# Altium PCB SEEED ORDER 100mm x 150mm.PcbDoc (part 1 of 3)
Units mil, origin at the board's own origin, x right, y up, seen from the top; angles counter-clockwise.
Board outline 5905.51 x 3937.01 mil, 2 copper layers (Top Layer, Bottom Layer); 155 components, 122 nets, 624 pads, 161 vias.
Unrouted connection lines stored in the file: 6.
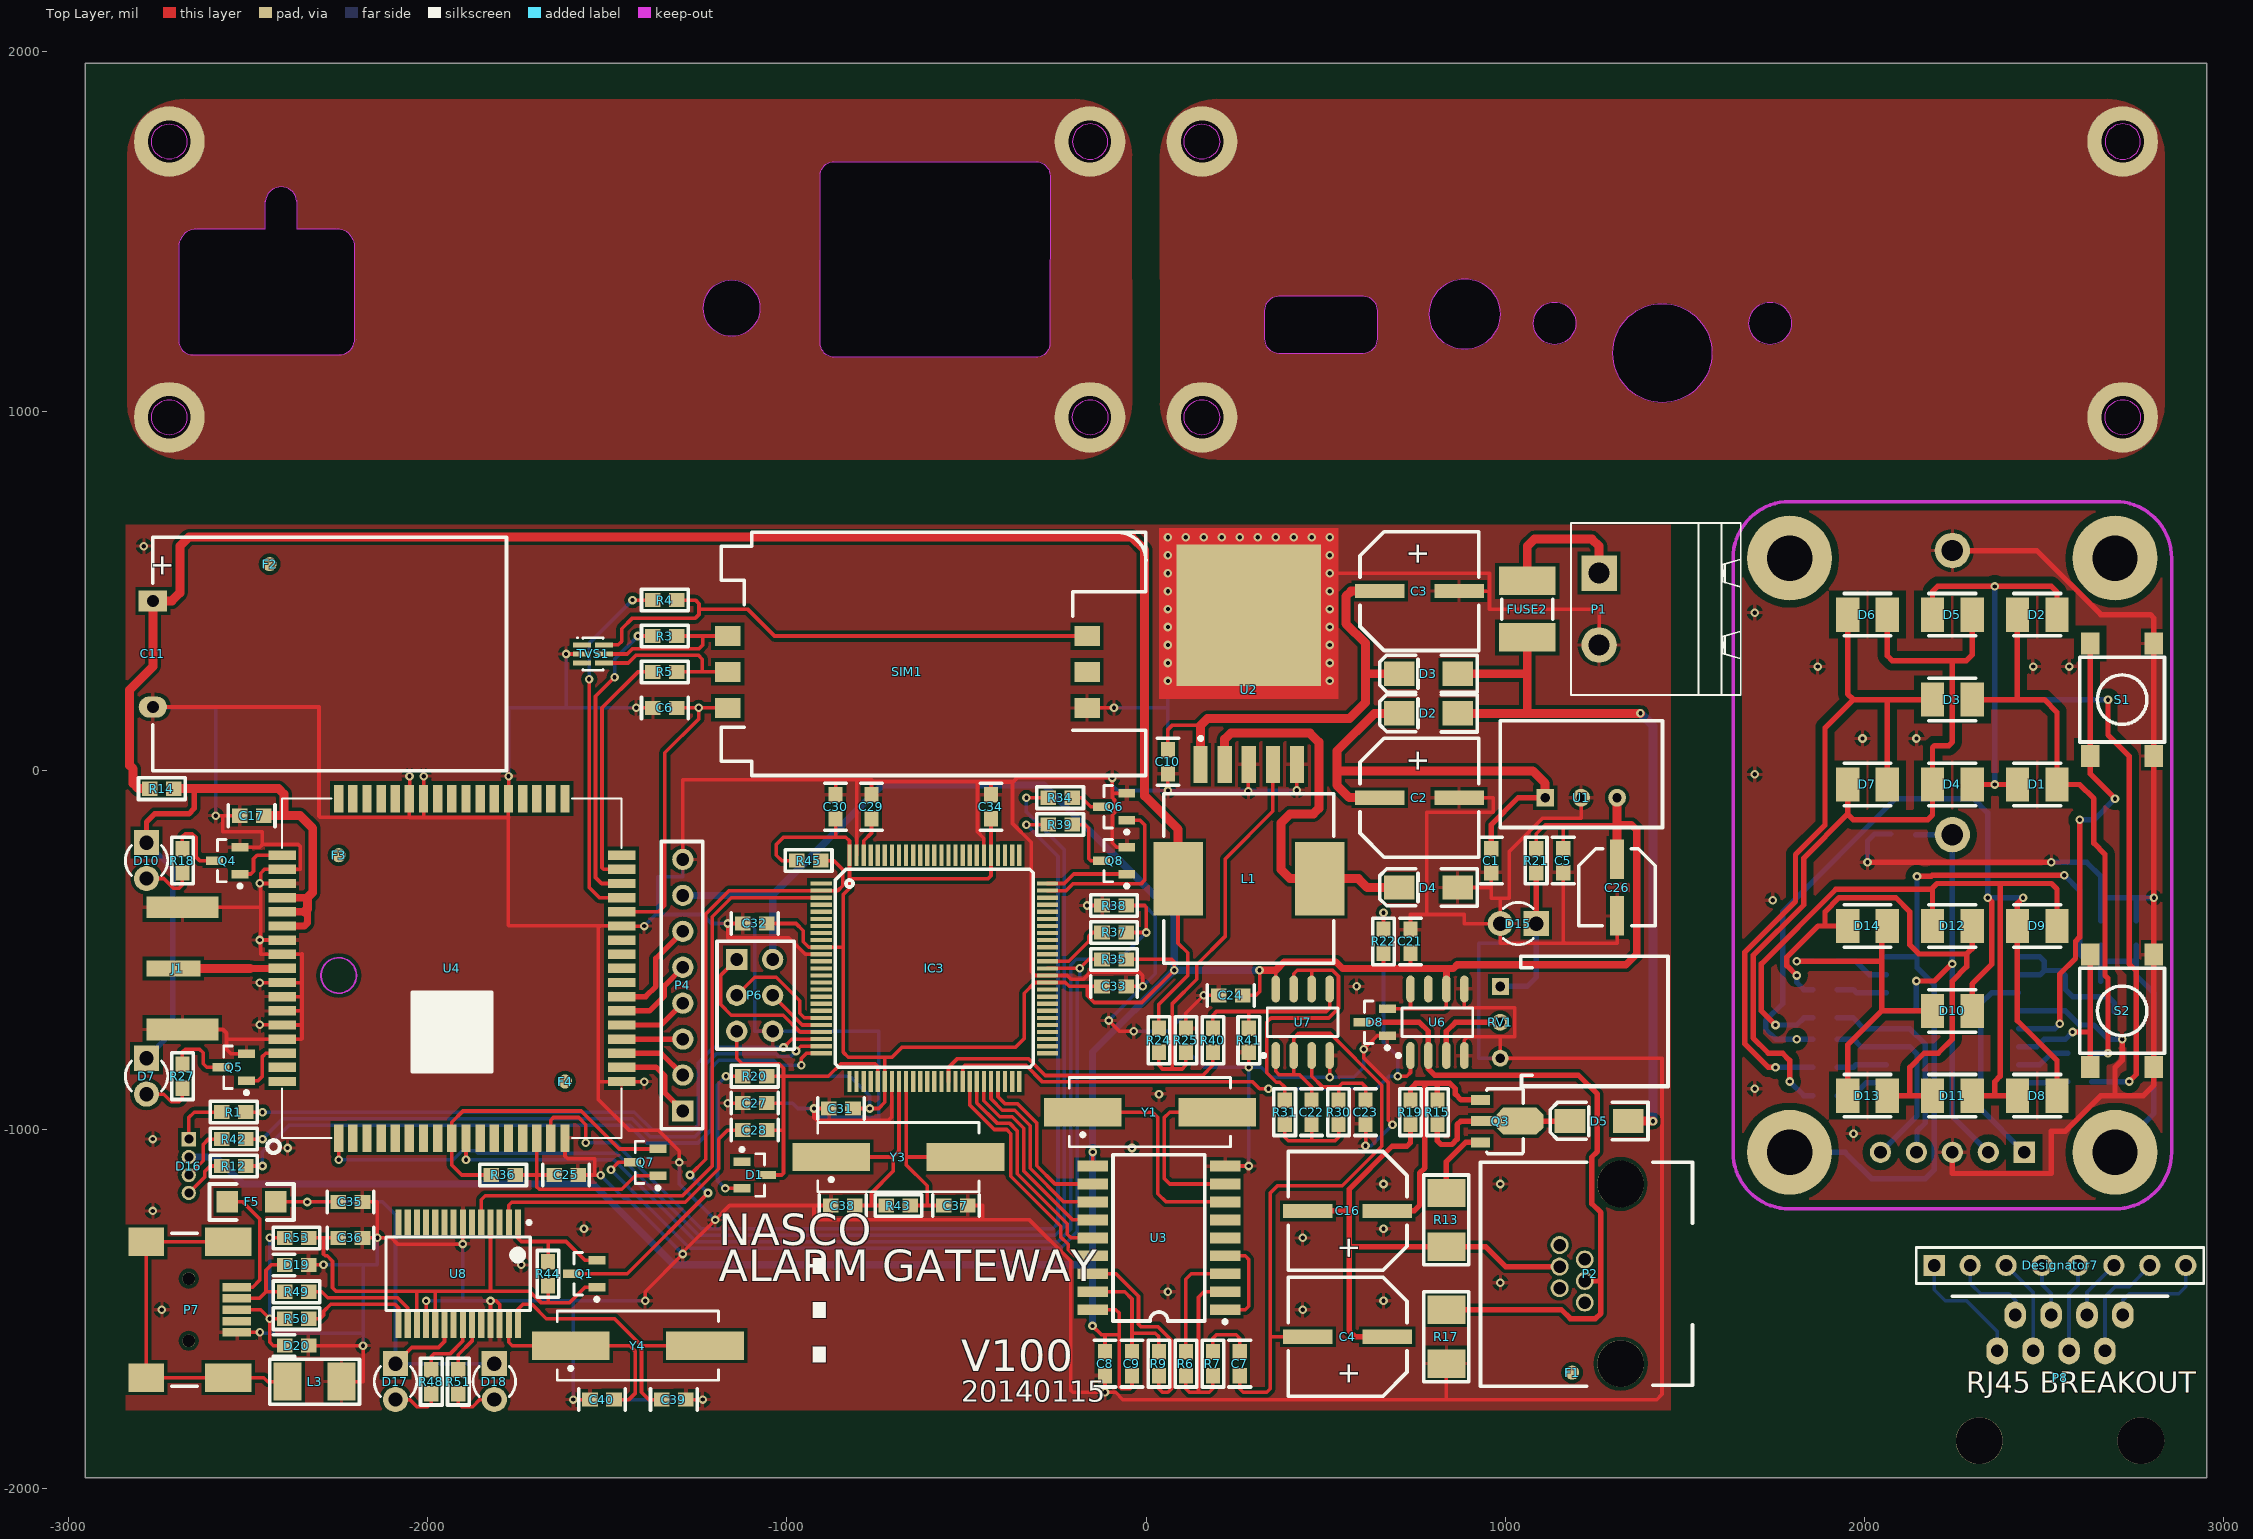
[diagram p0: Top Layer view]
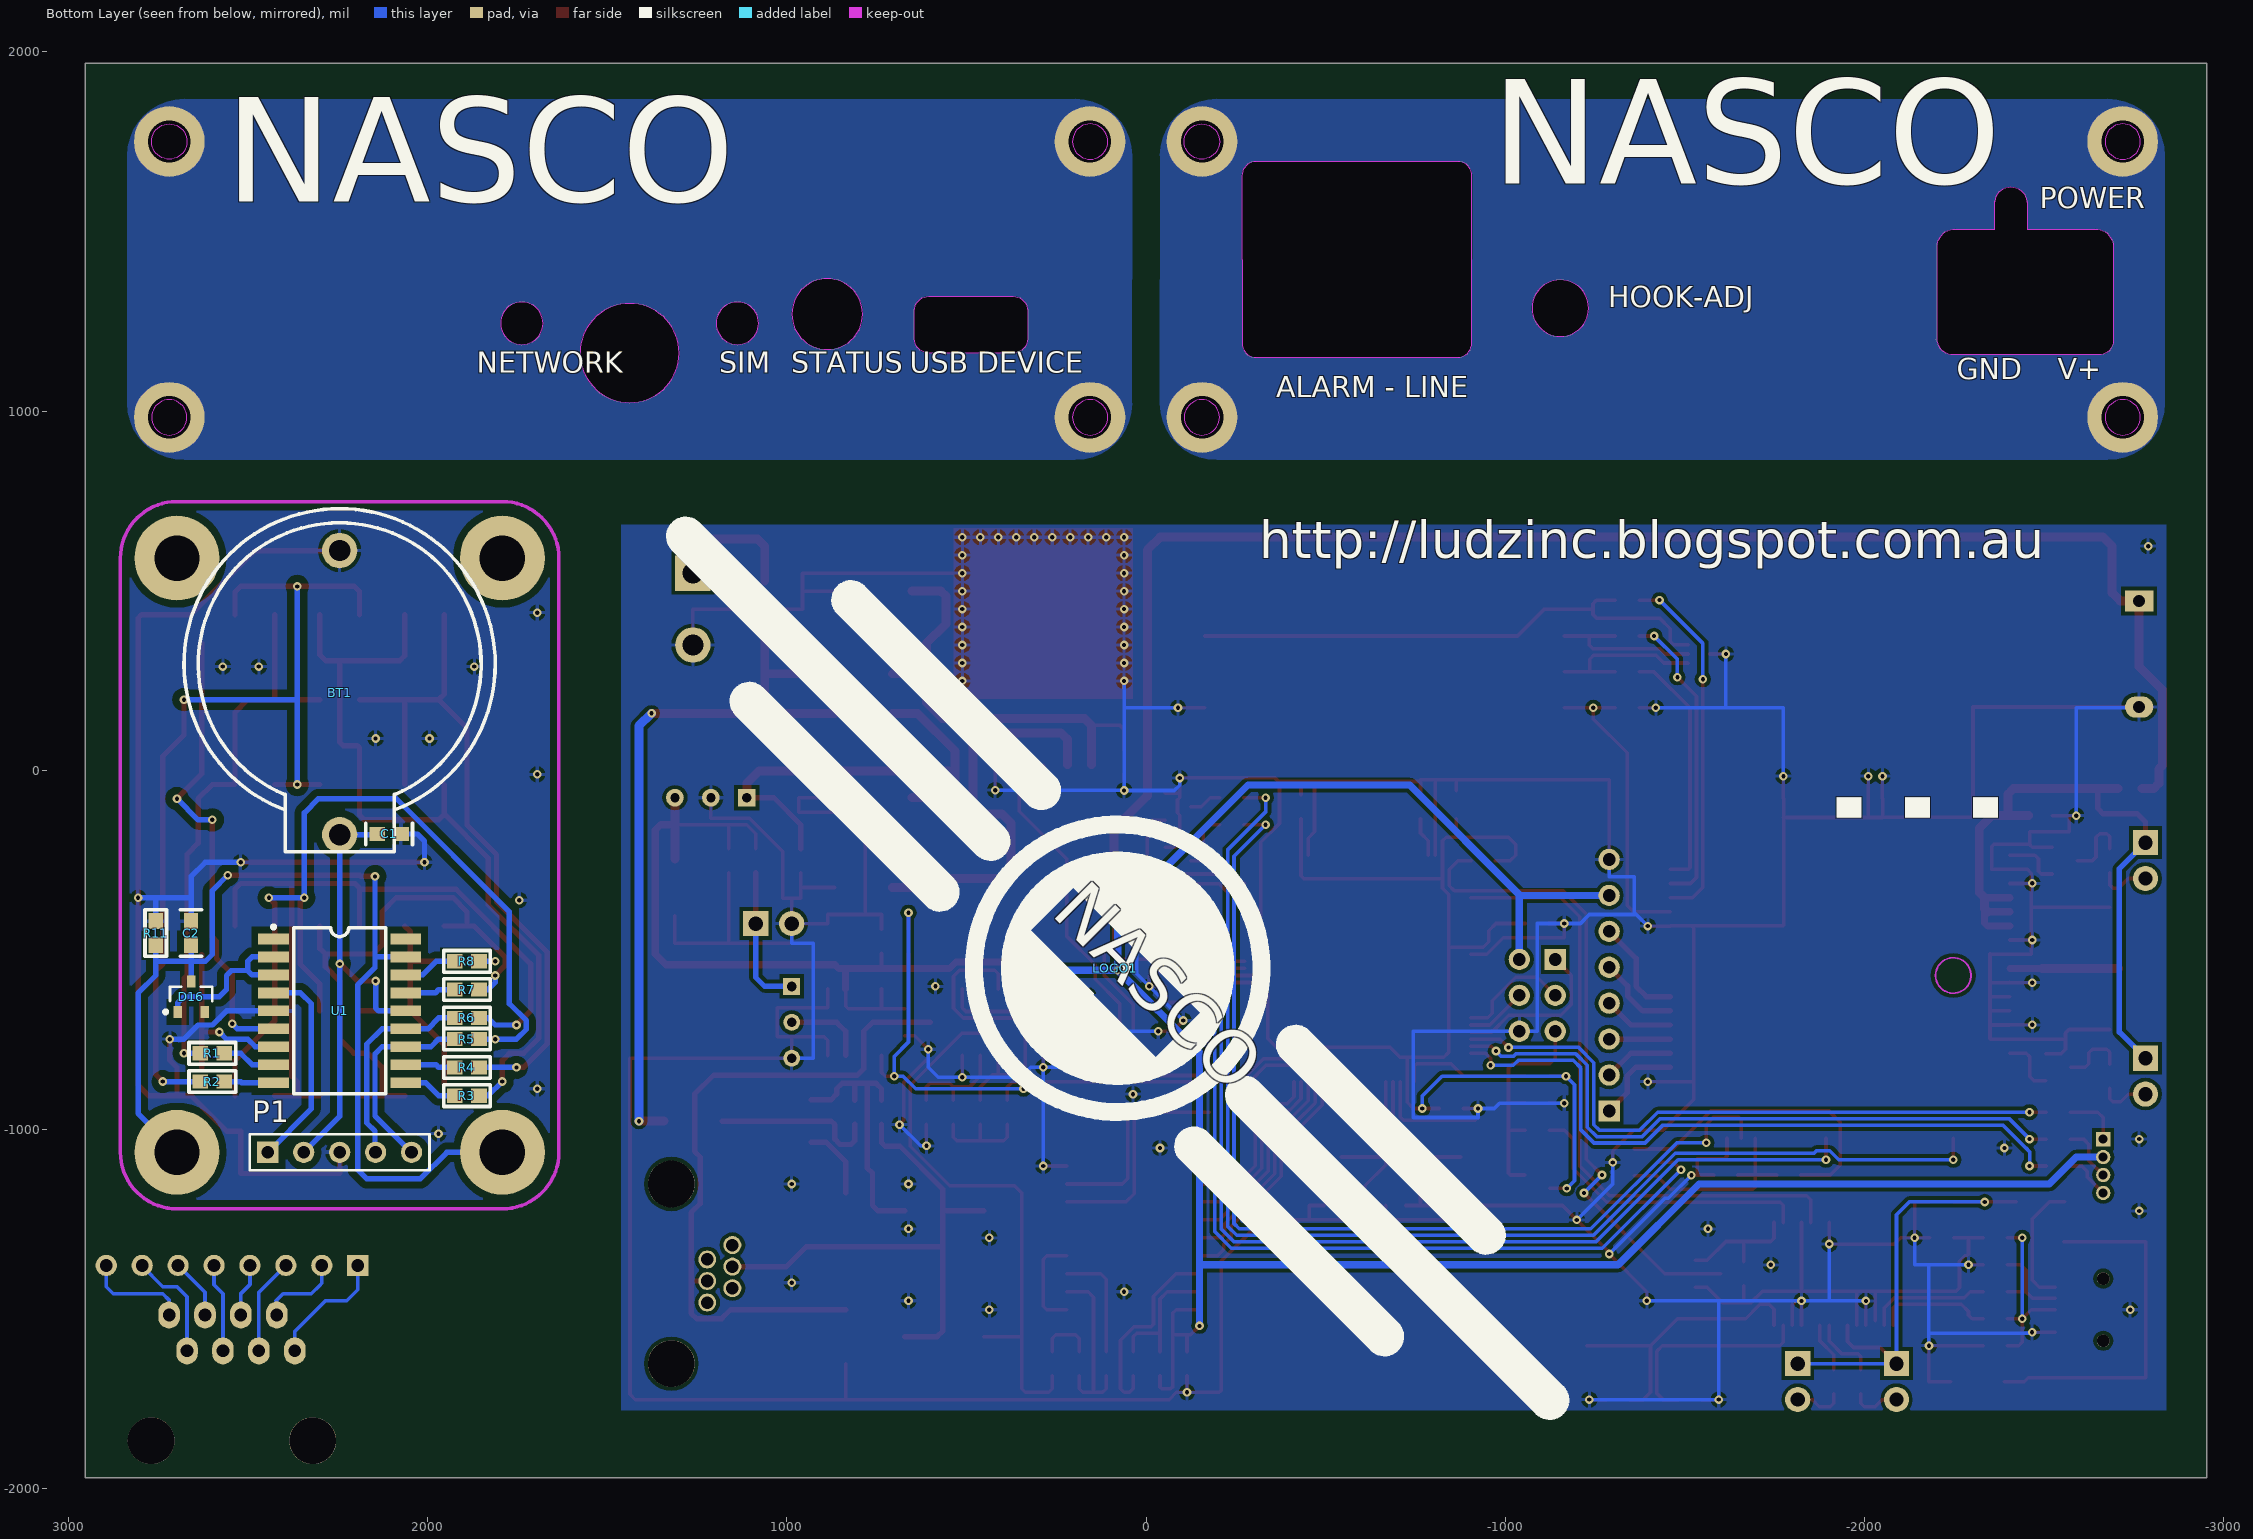
[diagram p1: Bottom Layer view, seen from below]

## Layer stack, top to bottom
Top Layer: signal copper 1.4
Dielectric: dielectric 12.6, FR-4, Dk 4.8
Bottom Layer: signal copper 1.4

## Board outline
-2952.76,-1968.5 -2952.76,1968.5 2952.76,1968.5 2952.76,-1968.5
cut-out: 644.49,1200.79 644.49,1279.53 ccw(c605.12,1279.53) 605.12,1318.9 368.9,1318.9 ccw(c368.9,1279.53) 329.53,1279.53 329.53,1200.79 ccw(c368.9,1200.79) 368.9,1161.42 605.12,1161.42 ccw(c605.12,1200.79)
cut-out: 1796.06,1244.09 cw(c1737.01,1244.09) 1737.01,1185.04 cw(c1737.01,1244.09) 1677.95,1244.09 cw(c1737.01,1244.09) 1737.01,1303.15 cw(c1737.01,1244.09)
cut-out: 1196.06,1244.09 cw(c1137.01,1244.09) 1137.01,1185.04 cw(c1137.01,1244.09) 1077.95,1244.09 cw(c1137.01,1244.09) 1137.01,1303.15 cw(c1137.01,1244.09)
cut-out: 985.43,1269.68 cw(c887.01,1269.68) 887.01,1171.26 cw(c887.01,1269.68) 788.58,1269.68 cw(c887.01,1269.68) 887.01,1368.11 cw(c887.01,1269.68)
cut-out: 2767.72,982.28 cw(c2718.5,982.28) 2718.5,933.07 cw(c2718.5,982.28) 2669.29,982.28 cw(c2718.5,982.28) 2718.5,1031.5 cw(c2718.5,982.28)
cut-out: 2718.5,1700.79 ccw(c2718.5,1750) 2767.72,1750 ccw(c2718.5,1750) 2718.5,1799.21 ccw(c2718.5,1750) 2669.29,1750 ccw(c2718.5,1750)
cut-out: 204.72,982.28 cw(c155.51,982.28) 155.51,933.07 cw(c155.51,982.28) 106.3,982.28 cw(c155.51,982.28) 155.51,1031.5 cw(c155.51,982.28)
cut-out: 204.72,1750 cw(c155.51,1750) 155.51,1700.79 cw(c155.51,1750) 106.3,1750 cw(c155.51,1750) 155.51,1799.21 cw(c155.51,1750)
cut-out: 1574.8,1161.42 cw(c1437.01,1161.42) 1437.01,1023.62 cw(c1437.01,1161.42) 1299.21,1161.42 cw(c1437.01,1161.42) 1437.01,1299.21 cw(c1437.01,1161.42)
cut-out: -1074.41,1286.42 cw(c-1153.15,1286.42) -1153.15,1207.68 cw(c-1153.15,1286.42) -1231.89,1286.42 cw(c-1153.15,1286.42) -1153.15,1365.16 cw(c-1153.15,1286.42)
cut-out: -2201.99,1201.42 -2201.99,1456.42 ccw(c-2252.01,1456.42) -2252.01,1506.43 -2361.99,1506.43 -2361.99,1581.42 ccw(c-2367.01,1581.42) -2362.88,1584.27 ccw(c-2407.01,1579.49) -2451.14,1584.27 ccw(c-2447.01,1581.42) -2452.02,1581.42 -2452.02,1506.43 -2642.01,1506.43 ccw(c-2642.01,1456.42) -2692.02,1456.42 -2692.02,1196.42 ccw(c-2652.01,1196.42) -2652.01,1156.4 -2247.01,1156.4 ccw(c-2247.01,1201.42)
cut-out: -2669.29,1750 cw(c-2718.5,1750) -2718.5,1700.79 cw(c-2718.5,1750) -2767.72,1750 cw(c-2718.5,1750) -2718.5,1799.21 cw(c-2718.5,1750)
cut-out: -2669.29,982.28 cw(c-2718.5,982.28) -2718.5,933.07 cw(c-2718.5,982.28) -2767.72,982.28 cw(c-2718.5,982.28) -2718.5,1031.5 cw(c-2718.5,982.28)
cut-out: -155.51,1700.79 ccw(c-155.51,1750) -106.3,1750 ccw(c-155.51,1750) -155.51,1799.21 ccw(c-155.51,1750) -204.72,1750 ccw(c-155.51,1750)
cut-out: -106.3,982.28 cw(c-155.51,982.28) -155.51,933.07 cw(c-155.51,982.28) -204.72,982.28 cw(c-155.51,982.28) -155.51,1031.5 cw(c-155.51,982.28)
cut-out: -267.64,1188.86 cw(c-307.01,1188.86) -307.01,1149.49 -867.01,1149.49 cw(c-867.01,1188.86) -906.38,1188.86 -907.01,1188.86 -907.01,1654.49 cw(c-867.64,1654.49) -867.64,1693.86 -306.38,1693.86 cw(c-306.38,1654.49) -267.01,1654.49
cut-out: -2197.64,1199.49
cut-out: -2197.64,1199.49
cut-out: -2197.64,1199.49
cut-out: -2197.64,1199.49
cut-out: -2197.64,1199.49

## Design rules (kind name [scope] priority, off if disabled: settings)
Clearance [All] p1: gap=10
PolygonConnect [All] p1: connectstyle=Relief reliefconductorwidth=10 reliefentries=4 polygonreliefangle="90 Angle" airgapwidth=10
RoutingVias [All] p1: holewidth=28 width=50 viastyle="Through Hole" minholewidth=28 minwidth=50 maxholewidth=28 maxwidth=50
SolderMaskExpansion [All] p1: expansion=4
Width [All] p1: maxlimit=10 minlimit=10 preferedwidth=10
28 further rules are at their usual default settings.

## Components (designator, comment, footprint, x,y, rotation, side; value= is the part's Value field where it differs from the comment)
BT1 "Battery" CR2032 2244.09,295.28 r90 bottom
C1 "100nF" "CAP (3D) - 0603" 2106.3,-177.17 r180 bottom
C1 "100nF" "CAP (3D) - 0603" 961.02,-251.18 r90 top
C2 "330pF" "CAP (3D) - 0603" 2657.48,-452.76 r270 bottom
C2 "100uF" "CAP ELECTRO SIZE-E" 761.02,-76.18 r270 top
C3 "100uF" "CAP ELECTRO SIZE-E" 761.02,498.82 r270 top
C4 "100uF" "CAP ELECTRO SIZE-E" 561.02,-1576.18 r90 top
C5 "100nF" "CAP (3D) - 0603" 1161.02,-251.18 r90 top
C6 "100nF" "CAP (3D) - 0603" -1338.98,173.82 r0 top
C7 "100nF" "CAP (3D) - 0603" 261.02,-1651.18 r90 top
C8 "100nF" "CAP (3D) - 0603" -113.98,-1651.18 r90 top
C9 "100nF" "CAP (3D) - 0603" -38.98,-1651.18 r270 top
C10 "100nF" "CAP (3D) - 0603" 61.02,23.82 r90 top
C11 "2700uF" "CAP D(16) L(20) P(7.5)" -2763.98,323.82 r90 top
C16 "100uF" "CAP ELECTRO SIZE-E" 561.02,-1226.18 r90 top
C17 "100nF" "CAP (3D) - 0603" -2488.98,-126.18 r0 top
C21 "100nF" "CAP (3D) - 0603" 736.02,-476.18 r270 top
C22 "10nF" "CAP (3D) - 0603" 461.02,-951.18 r270 top
C23 "10nF" "CAP (3D) - 0603" 611.02,-951.18 r90 top
C24 "100nF" "CAP (3D) - 0603" 236.02,-626.18 r0 top
C25 "100nF" "CAP (3D) - 0603" -1613.98,-1126.18 r180 top
C26 "10uF" "CAP ELECTRO SIZE-C" 1311.02,-326.18 r180 top
C27 "100nF" "CAP (3D) - 0603" -1088.98,-926.18 r180 top
C28 "100nF" "CAP (3D) - 0603" -1088.98,-1001.18 r180 top
C29 "100nF" "CAP (3D) - 0603" -763.98,-101.18 r270 top
C30 "100nF" "CAP (3D) - 0603" -863.98,-101.18 r270 top
C31 "100nF" "CAP (3D) - 0603" -848.98,-941.18 r0 top
C32 "100nF" "CAP (3D) - 0603" -1088.98,-426.18 r0 top
C33 "100nF" "CAP (3D) - 0603" -88.98,-601.18 r180 top
C34 "100nF" "CAP (3D) - 0603" -431.5,-101.18 r270 top
C35 "100nF" "CAP (3D) - 0603" -2213.98,-1201.18 r180 top
C36 "100nF" "CAP (3D) - 0603" -2213.98,-1301.18 r180 top
C37 "22pF" "CAP (3D) - 0603" -528.98,-1211.18 r180 top
C38 "22pF" "CAP (3D) - 0603" -843.98,-1211.18 r0 top
C39 "22pF" "CAP (3D) - 0603" -1313.98,-1751.18 r180 top
C40 "22pF" "CAP (3D) - 0603" -1513.98,-1751.18 r0 top
D1 "LED (RED)" PLCC_2 2480.32,-39.37 r0 top
D1 "BAV99" SOT23-3L -1088.98,-1126.18 r0 top
D2 "LED (RED)" PLCC_2 2480.32,433.07 r0 top
D2 "S1M" DO-214AC 786.02,158.82 r180 top
D3 "LED (RED)" PLCC_2 2244.09,196.85 r0 top
D3 "S1M" DO-214AC 786.02,268.82 r180 top
D4 "LED (RED)" PLCC_2 2244.09,-39.37 r0 top
D4 "CD214A-B340LF" DO-214AC 786.02,-326.18 r180 top
D5 "LED (RED)" PLCC_2 2244.09,433.07 r0 top
D5 "S1M" DO-214AC 1261.02,-976.18 r180 top
D6 "LED (RED)" PLCC_2 2007.87,433.07 r0 top
D7 "LED (RED)" PLCC_2 2007.87,-39.37 r0 top
D7 "LED (RED)" "LED(3D) 3MM RIGHT ANGLE RED" -2781.83,-851.18 r90 top
D8 "LED (RED)" PLCC_2 2480.32,-905.51 r0 top
D8 "BAV99" SOT23-3L 636.02,-701.18 r180 top
D9 "LED (RED)" PLCC_2 2480.32,-433.07 r0 top
D10 "LED (RED)" PLCC_2 2244.09,-669.29 r0 top
D10 "LED (GREEN)" "LED(3D) 3MM RIGHT ANGLE GREEN" -2781.83,-251.18 r90 top
D11 "LED (RED)" PLCC_2 2244.09,-905.51 r0 top
D12 "LED (RED)" PLCC_2 2244.09,-433.07 r0 top
D13 "LED (RED)" PLCC_2 2007.87,-905.51 r0 top
D14 "LED (RED)" PLCC_2 2007.87,-433.07 r0 top
D15 "LED (RED)" "LED 3MM" 1036.02,-426.18 r0 top
D16 "BAS16" SOT-23_L 2657.48,-629.92 r90 bottom
D16 "RGB 5mm" "LED(3D) 5MM RIGHT ANGLE (RGB) - COMMON ANODE" -2663.98,-1101.18 r90 top
D17 "LED (RED)" "LED(3D) 3MM VERTICAL (RED)" -2088.98,-1701.18 r90 top
D18 "LED (GREEN)" "LED(3D) 3MM VERTICAL (GREEN)" -1813.98,-1701.18 r90 top
D19 "TVS" "TVS (3D) - 0603" -2363.98,-1376.18 r0 top
D20 "TVS" "TVS (3D) - 0603" -2363.98,-1601.18 r0 top
Designator7 "Comment" HDR1X8 2193.7,-1377.95 r0 top
F1 "Fiducial" FIDUCIAL 1186.02,-1676.18 r90 top
F2 "Fiducial" FIDUCIAL -2438.98,573.82 r90 top
F3 "Fiducial" FIDUCIAL -2246.79,-236.22 r90 top
F4 "Fiducial" FIDUCIAL -1616.86,-866.14 r90 top
F5 "160mA" 1206 -2488.98,-1201.18 r0 top
FUSE2 "500mA" "miniSMD Polyswitch" 1061.02,448.82 r270 top
IC3 "ATMEGA2560-16AU" TQFP100 -588.98,-551.18 r0 top
J1 "SMA" "SMA EDGE MOUNT" -2896.83,-551.18 r0 top
L1 "Inductor" "INDUCTOR 12x12x8" 286.02,-301.18 r270 top
L3 "BEAD" "RES (3D) - 1210" -2313.98,-1701.18 r0 top
LOGO1 "NASCO" NASCO_LOGO 86.02,-551.18 r225 bottom
P1 "Header 5" HDR1X5 2444.09,-1062.99 r180 bottom
P1 "Power" "5.08MM HEADER 2 WAY RA- WITH SOCKET" 1261.02,548.82 r270 top
P2 "PHONE" "MOLEXZ RJ11" 1186.02,-1401.18 r270 top
P4 "Header 8" "HDR1X8 (3D)" -1288.98,-948.03 r90 top
P6 "Header 6" "HDR2X3 (3D)" -1088.98,-626.18 r270 top
P7 "MINI USB" "MINI USB" -2663.98,-1501.18 r270 top
P8 "COMSIN" "RJ45 RA (MOLEX 955012881)" 2718.84,-1515.75 r180 top (schematic designator P6)
Q1 "BSS138BK,215" SOT23-3L -1563.98,-1401.18 r180 top
Q3 "BCX56" SOT89 986.02,-976.18 r270 top
Q4 "MMUN2211LT1" SOT23-3L -2556.83,-251.18 r180 top
Q5 "MMUN2211LT1" SOT23-3L -2538.98,-826.18 r180 top
Q6 "MMUN2211LT1" SOT23-3L -88.98,-101.18 r180 top
Q7 "BSS138BK,215" SOT23-3L -1393.98,-1091.18 r180 top
Q8 "MMUN2211LT1" SOT23-3L -88.98,-251.18 r180 top
R1 "470R" "RES (3D) - 0603" 2598.43,-787.4 r180 bottom
R1 "1k" "RES (3D) - 0603" -2538.98,-951.18 r0 top
R2 "470R" "RES (3D) - 0603" 2598.43,-866.14 r180 bottom
R3 "470R" "RES (3D) - 0603" 1889.76,-905.51 r0 bottom
R3 "22R" "RES (3D) - 0603" -1338.98,373.82 r180 top
R4 "470R" "RES (3D) - 0603" 1889.76,-826.77 r0 bottom
R4 "22R" "RES (3D) - 0603" -1338.98,473.82 r180 top
R5 "470R" "RES (3D) - 0603" 1889.76,-748.03 r0 bottom
R5 "22R" "RES (3D) - 0603" -1338.98,273.82 r180 top
R6 "470R" "RES (3D) - 0603" 1889.76,-688.98 r0 bottom
R6 "100k" "RES (3D) - 0603" 111.02,-1651.18 r270 top
R7 "470R" "RES (3D) - 0603" 1889.76,-610.24 r0 bottom
R7 "100k" "RES (3D) - 0603" 186.02,-1651.18 r90 top
R8 "470R" "RES (3D) - 0603" 1889.76,-531.5 r0 bottom
R9 "300k" "RES (3D) - 0603" 36.02,-1651.18 r270 top
R11 "220K" "RES (3D) - 0603" 2755.91,-452.76 r90 bottom
R12 "22k" "RES (3D) - 0603" -2538.98,-1101.18 r0 top
R13 "15R 1/2 WATT" "RES (3D) - 1210" 836.02,-1251.18 r90 top
R14 "0R" "RES (3D) - 0603" -2738.98,-51.18 r180 top
R15 "10k" "RES (3D) - 0603" 811.02,-951.18 r90 top
R17 "10R 1/2 WATT" "RES (3D) - 1210" 836.02,-1576.18 r90 top
R18 "470R" "RES (3D) - 0603" -2681.83,-251.18 r90 top
R19 "10k" "RES (3D) - 0603" 736.02,-951.18 r270 top
R20 "10k" "RES (3D) - 0603" -1088.98,-851.18 r0 top
R21 "1k" "RES (3D) - 0603" 1086.02,-251.18 r270 top
R22 "10k" "RES (3D) - 0603" 661.02,-476.18 r90 top
R24 "3k" "RES (3D) - 0603" 36.02,-751.18 r270 top
R25 "1k" "RES (3D) - 0603" 111.02,-751.18 r90 top
R27 "470R" "RES (3D) - 0603" -2681.83,-851.18 r90 top
R30 "11k" "RES (3D) - 0603" 536.02,-951.18 r270 top
R31 "11k" "RES (3D) - 0603" 386.02,-951.18 r90 top
R34 "1k" "RES (3D) - 0603" -238.98,-76.18 r0 top
R35 "10k" "RES (3D) - 0603" -88.98,-526.18 r180 top
R36 "10k" "RES (3D) - 0603" -1788.98,-1126.18 r180 top
R37 "22k" "RES (3D) - 0603" -88.98,-451.18 r180 top
R38 "33k" "RES (3D) - 0603" -88.98,-376.18 r0 top
R39 "1k" "RES (3D) - 0603" -238.98,-151.18 r0 top
R40 "10k" "RES (3D) - 0603" 186.02,-751.18 r270 top